# Altium PCB Atlas-Pi.PcbDoc (part 2 of 3)
Units mil, origin at the board's own origin, x right, y up, seen from the top; angles counter-clockwise.
Board outline 2204.72 x 3346.46 mil, 4 copper layers (Top1, Gnd2, Signal3, Bottom4), stack 64.689 mil thick; 216 components, 214 nets, 934 pads, 615 vias.
Unrouted connection lines stored in the file: 151.
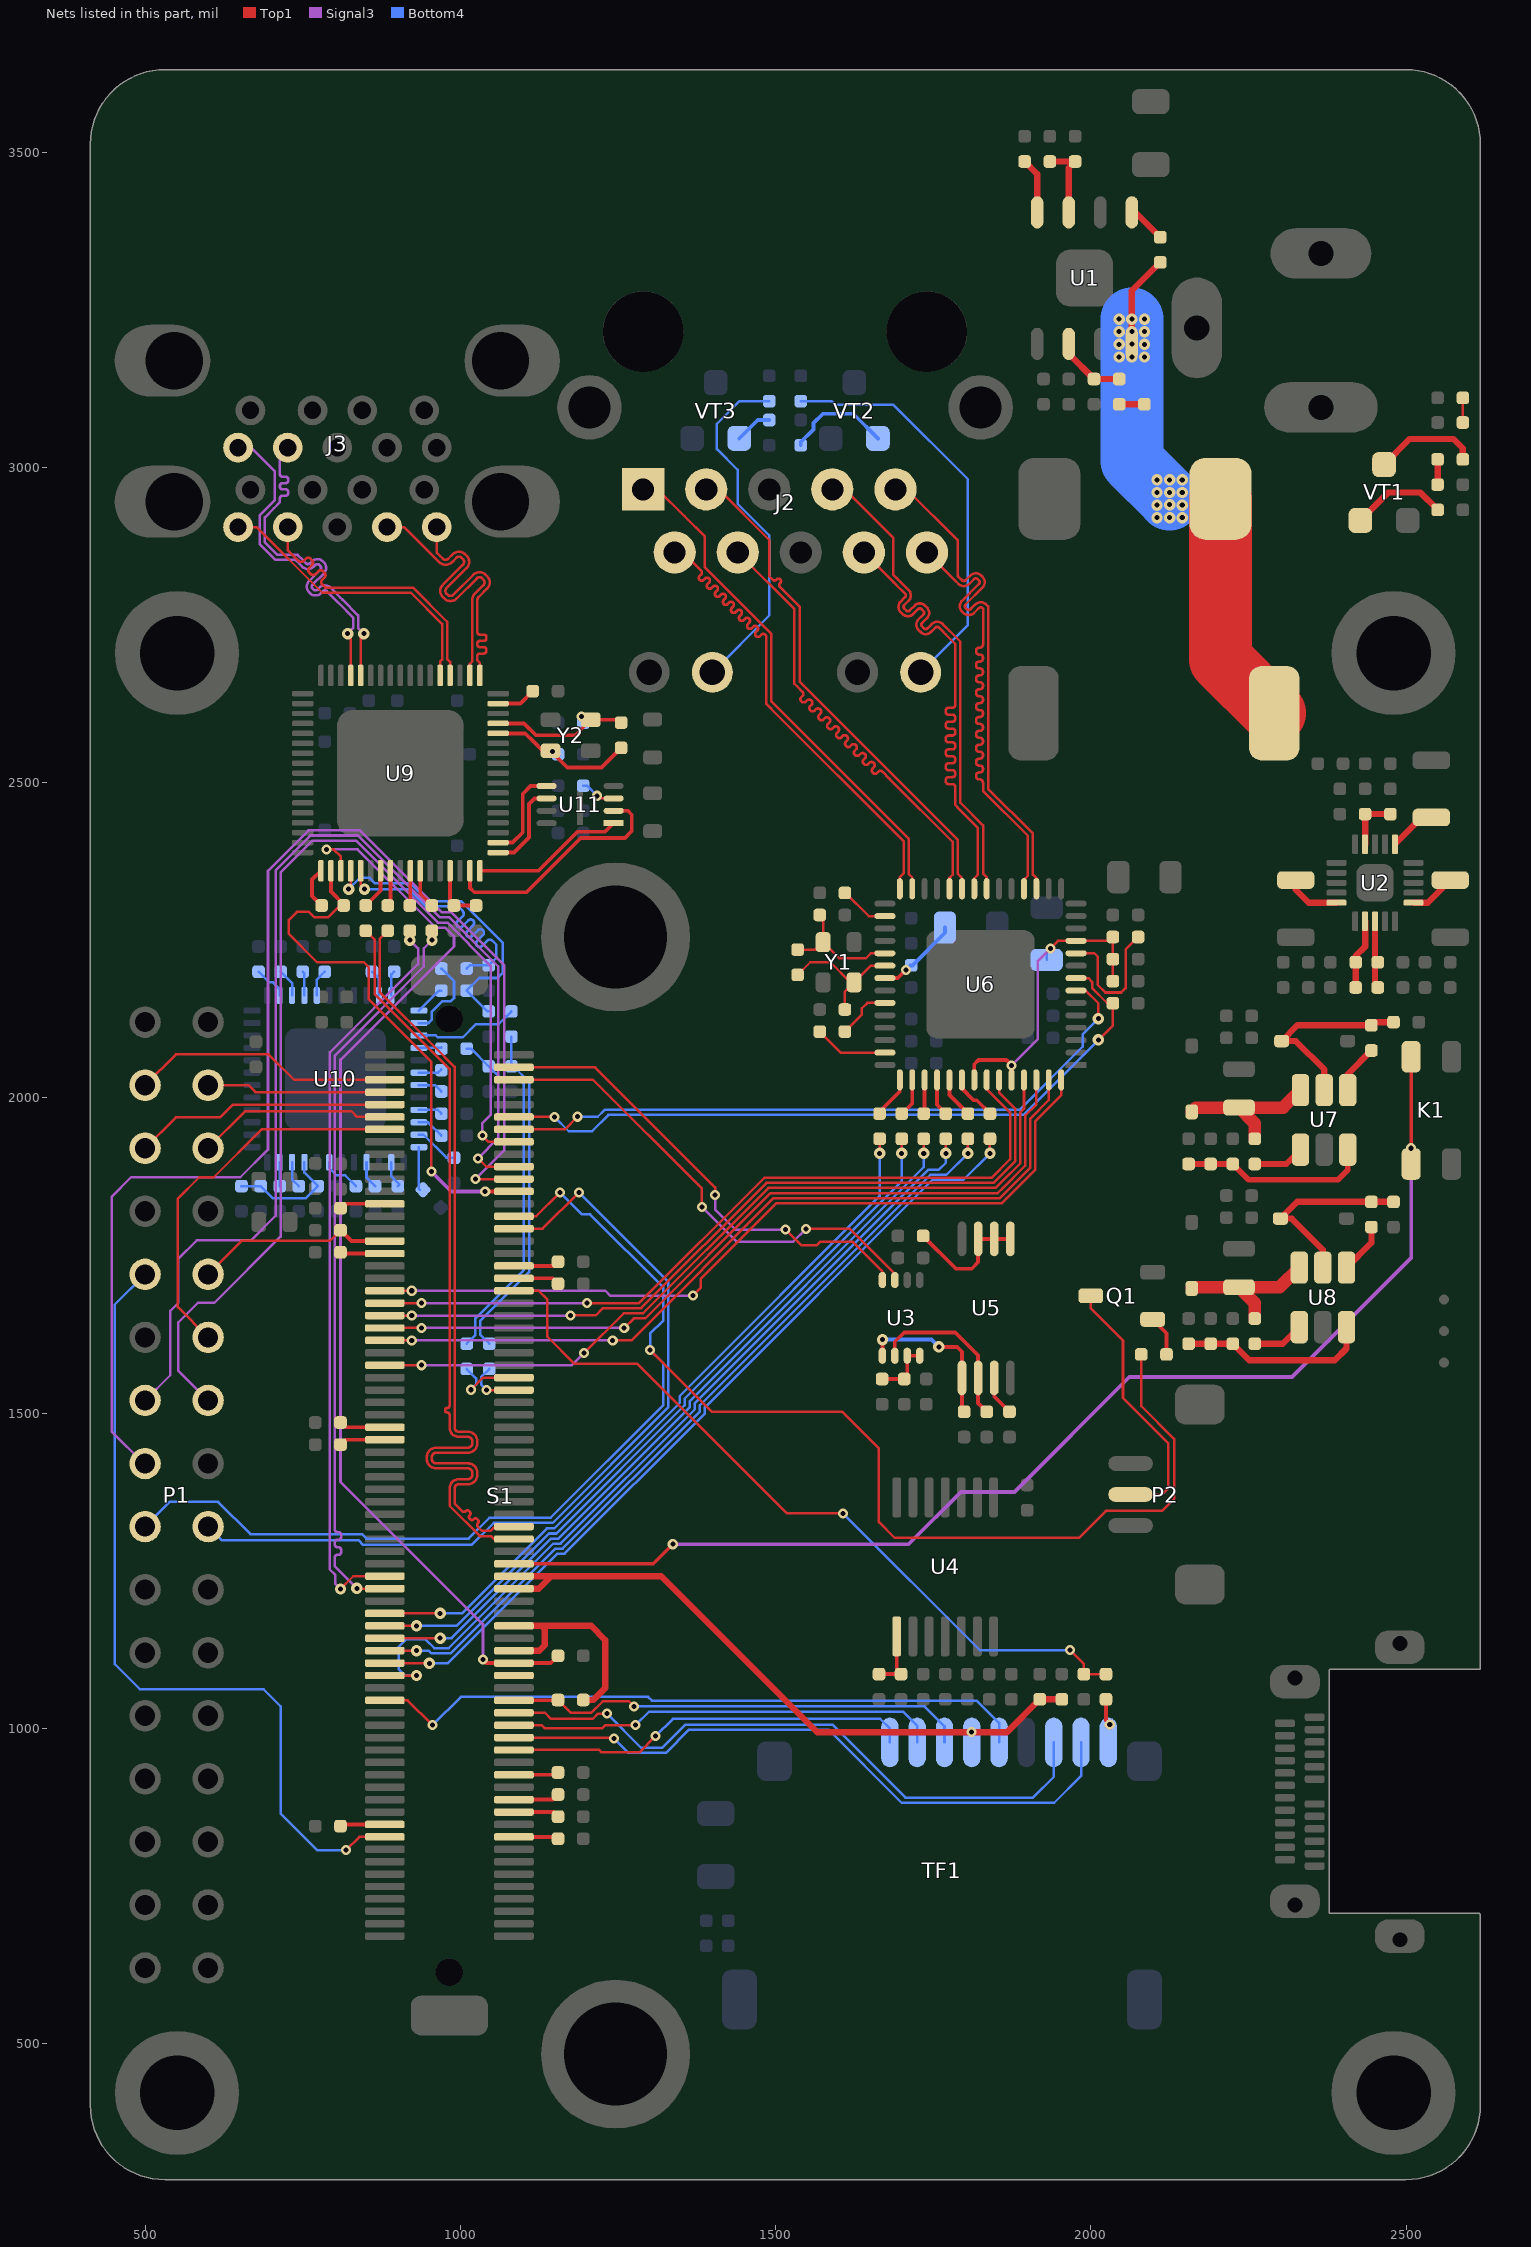
[diagram p4: the nets of this part, all layers, seen from the top]

## Via types
v1: diameter 16, hole 8, Top1 to Bottom4, tented both sides, 455 vias
v2: diameter 18, hole 8, Top1 to Bottom4, tented both sides, 158 vias
v3: diameter 39.37, hole 39.37, Top1 to Bottom4, 2 vias

## Nets (pads, with @x,y where several pads share a name; then routed paths per layer and width w, separated by ;. In a path a pad name is that pad's centre, name@x,y a point inside that pad or via, vN(x,y) a via of type N, cw(c..) or ccw(c..) an arc to the next point about the centre after c; other vN are vias at no path point) (continued)
HOST_RST_N: K1.2 K1.4 S1.62 | length 1967.9
  Top1 w6: S1.62@1085,1260.94 1305.95,1260.94 v1(1337,1292) ; K1.4@2508,1895 v1(2508,1920) K1.2@2508,2065
  Signal3 w6: v1(1337,1292) 1711,1292 1794,1375 1879,1375 2061,1557 2319,1557 2508,1746 v1(2508,1920)
I2C0_SCL: S1.140 U3.3 | length 775
  Top1 w4: S1.140@1085,2028.66 1210.34,2028.66 1383,1856 v1(1383,1827) ; v1(1548,1792) 1618,1792 1689.16,1720.84 U3.3@1689.16,1711.04
  Signal3 w4: v1(1383,1827) 1438,1772 1528,1772 v1(1548,1792)
I2C0_SCL_3V3: R27.2 U3.6 U5.6 | length 270.9
  Top1 w6: U3.6@1689.16,1590.96 1689.16,1613.16 1704,1628 1785,1628 1821.2,1591.8 U5.6@1821.2,1555.76 1821.2,1515.8 R27.2@1835,1502
I2C0_SDA: S1.142 U3.4 | length 757.6
  Top1 w4: S1.142@1085,2048.35 1213.66,2048.35 1404,1858 v1(1404,1846) ; v1(1516,1791) 1541,1766 1565,1766 1571,1772 1622,1772 1669.47,1724.53 U3.4@1669.47,1711.04
  Signal3 w4: v1(1404,1846) 1404,1823 1436,1791 v1(1516,1791)
I2C0_SDA_3V3: R26.2 U3.5 U5.5 | length 251.6
  Top1 w6: U3.5@1669.47,1590.96 v2(1669.47,1616.47) ; v2(1759,1605) 1788,1605 1795.61,1597.39 U5.5@1795.61,1555.76 R26.2@1795.61,1505.39
  Bottom4 w6: v2(1669.47,1616.47) 1747.53,1616.47 v2(1759,1605)
I2C1_SCL: P1.5 S1.135 | length 409
  Top1 w4: P1.5@500,1920 549,1969 619,1969 639.29,1989.29 S1.135@880.28,1989.29
I2C1_SDA: P1.6 S1.133 | length 308.6
  Top1 w4: P1.6@600,1920 659,1979 827,1979 836.4,1969.61 S1.133@880.28,1969.61
I2C2_SCL: P1.3 S1.139 | length 417.3
  Top1 w4: P1.3@500,2020 549,2069 696,2069 736.34,2028.66 S1.139@880.28,2028.66
I2C2_SDA: P1.4 S1.137 | length 284.8
  Top1 w4: P1.4@600,2020 664,2020 675.03,2008.98 S1.137@880.28,2008.98
INT_IN: P1.10 R23.1 S1.113 | length 316.4
  Top1 w4: P1.10@600,1720 653,1773 793,1773 R23.1@810,1790
  Top1 w6: R23.1@810,1790 827.24,1772.76 S1.113@880.28,1772.76
INT_OUT: P1.9 S1.17 | length 1296.6
  Top1 w4: v1(819,807) 839.88,827.88 S1.17@880.28,827.88
  Bottom4 w4: P1.9@500,1720 452,1672 452,1102 492,1062 688,1062 715,1035 715,865 773,807 v1(819,807)
LDO9_2V95: R13.2 S1.48 S1.52 | length 358.7
  Top1 w10: S1.48@1085,1123.15 1125.15,1123.15 1134,1132 1134,1157 1128.48,1162.52 ; S1.52@1085,1162.52 1128.48,1162.52 ; R13.2@1195,1045 1211,1045 1230,1064 1230,1140 1207.48,1162.52 1128.48,1162.52
LDO16_2V95: C23.1 C24.1 S1.58 S1.60 TF1.4 | length 1060.1
  Top1 w10: S1.58@1085,1221.57 1124.32,1221.57 1144,1241.26 ; S1.60@1085,1241.26 1144,1241.26 ; C23.1@1954,1046 C24.1@1919,1046 1867,994 1566,994 1318.74,1241.26 1144,1241.26
  other v1: 1811,994
MDC: S1.132 U6.7 | length 1079.4
  Top1 w4: S1.132@1085,1949.92 1165.92,1949.92 v1(1186,1970) ; U6.7@1976.6,2170.16 1991.84,2170.16 2012,2150 v2(2012,2125.64)
  Bottom4 w4: v1(1186,1970) 1218,1970 1229,1981 1887,1981 1987,2081 1987,2100.64 v2(2012,2125.64)
MDIO: R2.2 S1.134 U6.8 | length 1144.7
  Top1 w4: S1.134@1085,1969.61 v1(1149.4,1969.61) ; U6.8@1976.6,2189.84 1996.16,2189.84 2002,2184 2002,2174 2026,2150 R2.2@2035,2150 2035,2115 v2(2012,2092)
  Bottom4 w4: v1(1149.4,1969.61) 1172,1947 1209,1947 1235,1973 1893,1973 v2(2012,2092)
MDIO0_N: J2.1 U6.27 | length 823.6
  Top1 w4: J2.1@1290,2965 1313,2965 1356,2922 1388,2890 1388,2841.31 1493,2736.31 1493,2734 1493,2629 1711,2411 1711,2355 1716.73,2349.27 U6.27@1716.73,2331.6
MDIO0_P: J2.2 U6.28 | length 824
  Top1 w4: J2.2@1340,2865 1353,2865 1374,2844 1381.78,2836.22 cw(c1378.6,2833.04) 1381.78,2829.86 1379.66,2827.74 ccw(c1382.84,2824.55) 1379.66,2821.37 ccw(c1382.84,2824.55) 1386.02,2821.37 1388.14,2823.49 cw(c1391.32,2820.31) 1394.51,2823.49 cw(c1391.32,2820.31) 1394.51,2817.13 1392.39,2815.01 ccw(c1395.57,2811.83) 1392.39,2808.64 ccw(c1395.57,2811.83) 1398.75,2808.64 1400.87,2810.77 cw(c1404.05,2807.58) 1407.23,2810.77 cw(c1404.05,2807.58) 1407.23,2804.4 1405.11,2802.28 ccw(c1408.3,2799.1) 1405.11,2795.92 ccw(c1408.3,2799.1) 1411.48,2795.92 1413.6,2798.04 cw(c1416.78,2794.86) 1419.96,2798.04 cw(c1416.78,2794.86) 1419.96,2791.67 1417.84,2789.55 ccw(c1421.02,2786.37) 1417.84,2783.19 ccw(c1421.02,2786.37) 1424.2,2783.19 1426.33,2785.31 cw(c1429.51,2782.13) 1432.69,2785.31 cw(c1429.51,2782.13) 1432.69,2778.95 1430.57,2776.82 ccw(c1433.75,2773.64) 1430.57,2770.46 ccw(c1433.75,2773.64) 1436.93,2770.46 1439.05,2772.58 cw(c1442.24,2769.4) 1445.42,2772.58 cw(c1442.24,2769.4) 1445.42,2766.22 1443.3,2764.1 ccw(c1446.48,2760.91) 1443.3,2757.73 ccw(c1446.48,2760.91) 1449.66,2757.73 1451.78,2759.85 cw(c1454.96,2756.67) 1458.15,2759.85 cw(c1454.96,2756.67) 1458.15,2753.49 1456.02,2751.37 ccw(c1459.21,2748.19) 1456.02,2745 ccw(c1459.21,2748.19) 1462.39,2745 1464.51,2747.13 cw(c1467.69,2743.94) 1470.87,2747.13 cw(c1467.69,2743.94) 1470.87,2740.76 1468.75,2738.64 ccw(c1471.93,2735.46) 1468.75,2732.28 ccw(c1471.93,2735.46) 1475.12,2732.28 1477.24,2734.4 cw(c1480.42,2731.22) 1483.6,2734.4 1485,2733 1485,2723 1485,2625.69 1493,2617.69 1493,2617 1703,2407 1703,2356 1697.05,2350.05 U6.28@1697.05,2331.6
MDIO1_N: J2.3 U6.23 | length 824.2
  Top1 w4: J2.3@1390,2965 1410,2965 1490,2885 1490,2827 1494,2823 1495.41,2821.59 ccw(c1498.24,2824.41) 1501.07,2821.59 1501.78,2822.29 cw(c1504.61,2819.46) 1507.44,2822.29 cw(c1504.61,2819.46) 1507.44,2816.64 1506.73,2815.93 ccw(c1509.56,2813.1) 1506.73,2810.27 1521,2796 1538,2779 1538,2660 1789,2409 1789,2355 1795.47,2348.53 U6.23@1795.47,2331.6
MDIO1_P: J2.4 U6.24 | length 823.3
  Top1 w4: J2.4@1440,2865 1530,2775 1530,2656.69 1534.34,2652.34 1542.83,2643.86 cw(c1539.65,2640.68) 1542.83,2637.49 1540.71,2635.37 ccw(c1543.89,2632.19) 1540.71,2629.01 1541.41,2628.3 ccw(c1544.6,2631.48) 1547.78,2628.3 1549.9,2630.42 cw(c1553.08,2627.24) 1556.26,2630.42 1556.97,2629.72 cw(c1553.79,2626.53) 1556.97,2623.35 1554.85,2621.23 ccw(c1558.03,2618.05) 1554.85,2614.87 1555.56,2614.16 ccw(c1558.74,2617.34) 1561.92,2614.16 1564.04,2616.28 cw(c1567.22,2613.1) 1570.41,2616.28 1571.11,2615.57 cw(c1567.93,2612.39) 1571.11,2609.21 1568.99,2607.09 ccw(c1572.17,2603.91) 1568.99,2600.72 1569.7,2600.02 ccw(c1572.88,2603.2) 1576.06,2600.02 1578.18,2602.14 cw(c1581.37,2598.96) 1584.55,2602.14 1585.26,2601.43 cw(c1582.07,2598.25) 1585.26,2595.07 1583.13,2592.95 ccw(c1586.32,2589.76) 1583.13,2586.58 1583.84,2585.87 ccw(c1587.02,2589.06) 1590.2,2585.87 1592.33,2588 cw(c1595.51,2584.81) 1598.69,2588 1599.4,2587.29 cw(c1596.22,2584.11) 1599.4,2580.92 1597.28,2578.8 ccw(c1600.46,2575.62) 1597.28,2572.44 1597.98,2571.73 ccw(c1601.17,2574.91) 1604.35,2571.73 1606.47,2573.85 cw(c1609.65,2570.67) 1612.83,2573.85 1613.54,2573.15 cw(c1610.36,2569.96) 1613.54,2566.78 1611.42,2564.66 ccw(c1614.6,2561.48) 1611.42,2558.3 1612.13,2557.59 ccw(c1615.31,2560.77) 1618.49,2557.59 1620.61,2559.71 cw(c1623.79,2556.53) 1626.97,2559.71 1627.68,2559 cw(c1624.5,2555.82) 1627.68,2552.64 1625.56,2550.52 ccw(c1628.74,2547.34) 1625.56,2544.16 1626.27,2543.45 ccw(c1629.45,2546.63) 1632.63,2543.45 1634.75,2545.57 cw(c1637.93,2542.39) 1641.12,2545.57 1641.82,2544.86 cw(c1638.64,2541.68) 1641.82,2538.5 1639.7,2536.38 ccw(c1642.88,2533.2) 1639.7,2530.01 1640.41,2529.31 ccw(c1643.59,2532.49) 1646.77,2529.31 1648.89,2531.43 cw(c1652.08,2528.25) 1655.26,2531.43 1655.97,2530.72 cw(c1652.78,2527.54) 1655.97,2524.36 1653.84,2522.24 ccw(c1657.03,2519.05) 1653.84,2515.87 1654.55,2515.16 ccw(c1657.73,2518.35) 1660.92,2515.16 1663.04,2517.29 cw(c1666.22,2514.1) 1669.4,2517.29 1680.84,2505.84 1781,2405.69 1781,2354 1775.79,2348.79 U6.24@1775.79,2331.6
MDIO2_N: J2.7 U6.21 | length 824.5
  Top1 w4: J2.7@1590,2965 1610,2965 1687,2888 1687,2829.31 1692.66,2823.66 1698.07,2818.24 1711.02,2805.29 cw(c1702.56,2796.79) 1711.02,2788.28 1703.97,2781.23 ; 1703.95,2781.21 ccw(c1706.48,2778.65) 1703.93,2776.11 1707.34,2772.7 ccw(c1709.88,2775.26) 1712.42,2772.71 1721.6,2781.88 1721.79,2781.88 cw(c1728.63,2772.51) 1736.84,2780.7 ; 1736.85,2780.69 1740.2,2777.34 ; 1740.2,2760.89 1732.25,2752.94 ccw(c1734.77,2750.37) 1732.21,2747.83 1735.62,2744.42 ccw(c1738.16,2746.97) 1740.71,2744.43 ; 1740.21,2760.9 ccw(c1732.02,2769.12) 1740.21,2777.33 ; 1740.73,2744.45 1747.79,2751.51 cw(c1756.3,2743.05) 1764.8,2751.51 1770.11,2746.2 1775.53,2740.78 1793,2723.31 1793,2468 1829,2432 1829,2356 1834.84,2350.16 U6.21@1834.84,2331.6
MDIO2_P: J2.8 U6.22 | length 823.5
  Top1 w4: J2.8@1640,2865 1687,2818 1691.22,2813.78 ; 1691.25,2813.74 1705.36,2799.64 cw(c1702.56,2796.79) 1705.37,2793.94 1697.11,2785.68 1697.11,2785.48 ccw(c1706.48,2778.65) 1698.31,2770.42 1701.64,2767.09 ccw(c1709.88,2775.26) 1718.1,2767.07 ; 1718.1,2767.08 1726.05,2775.03 ; 1726.07,2775.04 cw(c1728.63,2772.51) 1731.17,2775.06 ; 1731.2,2775.03 1734.54,2771.69 ; 1734.54,2766.55 1725.39,2757.4 1725.39,2757.2 ccw(c1734.77,2750.37) 1726.6,2742.13 1729.93,2738.8 ccw(c1738.16,2746.97) 1746.38,2738.79 ; 1734.57,2766.57 ccw(c1732.02,2769.12) 1734.57,2771.66 ; 1746.39,2738.79 1753.44,2745.85 ; 1753.45,2745.86 cw(c1756.3,2743.05) 1759.14,2745.86 1765.62,2739.38 1769.87,2735.13 1785,2720 1785,2636 1785,2623 cw(c1780.6,2623) 1780.6,2618.6 1774.4,2618.6 ccw(c1774.4,2614.2) 1770,2614.2 1770,2612 ccw(c1774.4,2612) 1774.4,2607.6 1780.6,2607.6 cw(c1780.6,2603.2) 1785,2603.2 1785,2601 cw(c1780.6,2601) 1780.6,2596.6 1774.4,2596.6 ccw(c1774.4,2592.2) 1770,2592.2 1770,2590 ccw(c1774.4,2590) 1774.4,2585.6 1780.6,2585.6 cw(c1780.6,2581.2) 1785,2581.2 1785,2579 cw(c1780.6,2579) 1780.6,2574.6 1774.4,2574.6 ccw(c1774.4,2570.2) 1770,2570.2 1770,2568 ccw(c1774.4,2568) 1774.4,2563.6 1780.6,2563.6 cw(c1780.6,2559.2) 1785,2559.2 1785,2557 cw(c1780.6,2557) 1780.6,2552.6 1774.4,2552.6 ccw(c1774.4,2548.2) 1770,2548.2 1770,2546 ccw(c1774.4,2546) 1774.4,2541.6 1780.6,2541.6 cw(c1780.6,2537.2) 1785,2537.2 1785,2535 cw(c1780.6,2535) 1780.6,2530.6 1774.4,2530.6 ccw(c1774.4,2526.2) 1770,2526.2 1770,2524 ccw(c1774.4,2524) 1774.4,2519.6 1780.6,2519.6 cw(c1780.6,2515.2) 1785,2515.2 1785,2513 cw(c1780.6,2513) 1780.6,2508.6 1774.4,2508.6 ccw(c1774.4,2504.2) 1770,2504.2 1770,2502 ccw(c1774.4,2502) 1774.4,2497.6 1780.6,2497.6 cw(c1780.6,2493.2) 1785,2493.2 1785,2472 1785,2464.69 1788,2461.69 1788,2461 1821,2428 1821,2354 1815.16,2348.16 U6.22@1815.16,2331.6
MDIO3_N: J2.9 U6.17 | length 823
  Top1 w4: J2.9@1690,2965 1708,2965 1789,2884 1789,2827.31 1791.16,2825.16 1795.38,2820.93 ccw(c1798.51,2824.03) 1801.63,2820.93 1810.01,2829.3 1810.19,2829.3 cw(c1817.6,2819.36) 1826.39,2828.11 1827.9,2826.59 cw(c1819.16,2817.8) 1827.91,2809.02 1801.65,2782.76 ; 1801.63,2782.74 ccw(c1804.73,2779.62) 1801.64,2776.49 1803.16,2774.97 ccw(c1806.29,2778.06) 1809.42,2774.97 1816.59,2782.14 ; 1816.59,2782.15 cw(c1825.38,2773.4) 1832.79,2783.34 1832.98,2783.34 1834.14,2782.17 ; 1834.16,2782.16 1837,2779.31 1837,2741 1837,2490 1908,2419 1908,2354 1913.58,2348.42 U6.17@1913.58,2331.6
MDIO3_P: J2.10 U6.18 | length 823.6
  Top1 w4: J2.10@1740,2865 1785.5,2819.5 1789.71,2815.29 ; 1789.76,2815.24 ccw(c1798.51,2824.03) 1807.29,2815.26 1814.46,2822.44 ; 1814.48,2822.46 cw(c1817.6,2819.36) 1820.73,2822.45 1822.25,2820.94 ; 1822.25,2776.48 1815.08,2769.32 cw(c1806.29,2778.06) 1797.49,2769.33 1796,2770.82 cw(c1804.73,2779.62) 1794.79,2787.03 1794.79,2787.22 1822.25,2814.67 ; 1822.25,2776.49 cw(c1825.38,2773.4) 1828.52,2776.48 1829,2776 1829,2734.99 1829,2727 1829,2718.9 cw(c1824.05,2718.9) 1824.05,2713.95 1822.95,2713.95 ccw(c1822.95,2709) 1818,2709 1818,2707.9 ccw(c1822.95,2707.9) 1822.95,2702.95 1824.05,2702.95 cw(c1824.05,2698) 1829,2698 1829,2696.9 cw(c1824.05,2696.9) 1824.05,2691.95 1822.95,2691.95 ccw(c1822.95,2687) 1818,2687 1818,2685.9 ccw(c1822.95,2685.9) 1822.95,2680.95 1824.05,2680.95 cw(c1824.05,2676) 1829,2676 1829,2674.9 cw(c1824.05,2674.9) 1824.05,2669.95 1822.95,2669.95 ccw(c1822.95,2665) 1818,2665 1818,2663.9 ccw(c1822.95,2663.9) 1822.95,2658.95 1824.05,2658.95 cw(c1824.05,2654) 1829,2654 1829,2652.9 cw(c1824.05,2652.9) 1824.05,2647.95 1822.95,2647.95 ccw(c1822.95,2643) 1818,2643 1818,2641.9 ccw(c1822.95,2641.9) 1822.95,2636.95 1824.05,2636.95 cw(c1824.05,2632) 1829,2632 1829,2630.9 cw(c1824.05,2630.9) 1824.05,2625.95 1822.95,2625.95 ccw(c1822.95,2621) 1818,2621 1818,2619.9 ccw(c1822.95,2619.9) 1822.95,2614.95 1824.05,2614.95 cw(c1824.05,2610) 1829,2610 1829,2608.9 cw(c1824.05,2608.9) 1824.05,2603.95 1822.95,2603.95 ccw(c1822.95,2599) 1818,2599 1818,2597.9 ccw(c1822.95,2597.9) 1822.95,2592.95 1824.05,2592.95 cw(c1824.05,2588) 1829,2588 1829,2586.9 cw(c1824.05,2586.9) 1824.05,2581.95 1822.95,2581.95 ccw(c1822.95,2577) 1818,2577 1818,2575.9 ccw(c1822.95,2575.9) 1822.95,2570.95 1824.05,2570.95 cw(c1824.05,2566) 1829,2566 1829,2564.9 cw(c1824.05,2564.9) 1824.05,2559.95 1822.95,2559.95 ccw(c1822.95,2555) 1818,2555 1818,2553.9 ccw(c1822.95,2553.9) 1822.95,2548.95 1824.05,2548.95 cw(c1824.05,2544) 1829,2544 1829,2542.9 cw(c1824.05,2542.9) 1824.05,2537.95 1822.95,2537.95 ccw(c1822.95,2533) 1818,2533 1818,2531.9 ccw(c1822.95,2531.9) 1822.95,2526.95 1824.05,2526.95 cw(c1824.05,2522) 1829,2522 1829,2520.9 cw(c1824.05,2520.9) 1824.05,2515.95 1822.95,2515.95 ccw(c1822.95,2511) 1818,2511 1818,2509.9 ccw(c1822.95,2509.9) 1822.95,2504.95 1824.05,2504.95 cw(c1824.05,2500) 1829,2500 1829,2498 1829,2486.69 1900,2415.69 1900,2352 1893.9,2345.9 U6.18@1893.9,2331.6 ; 1822.25,2814.67 ccw(c1819.16,2817.8) 1822.25,2820.93
MINI_PCIE_CLK_N: C67.1 S1.92 | length 118.5
  Top1 w4: v1(1016.98,1536.98) 1036.22,1556.22 S1.92@1085,1556.22
  Bottom4 w4: C67.1@1010,1570 1025,1555 1025,1545 v1(1016.98,1536.98)
MINI_PCIE_CLK_P: C65.1 S1.90 | length 85.9
  Top1 w4: v1(1041.47,1536.53) S1.90@1085,1536.53
  Bottom4 w4: v1(1041.47,1536.53) 1033,1545 1033,1557 C65.1@1046,1570
NetC1_1: C1.1 D1.1 L1.1 U1.8 | length 833.1
  Top1 w10: v2(2065,3195.67) v2(2065,3215) v2(2065,3235) 2065,3280 C1.1@2110,3325
  Top1 w100: D1.1@2205.83,2950 2205.83,2695.12 L1.1@2290.94,2610
  Bottom4 w100: v2(2065,3235) v2(2065,3215) v2(2065,3195.67) v2(2065,3175) 2065,3010 2125,2950
  other v2: 2105,2920 2125,2920 2145,2920 2105,2940 2145,2940 2125,2940.67 2105,2960 2125,2960 2145,2960 2105,2980 2125,2980 2145,2980 2045,3175 2085,3175 2045,3195 2085,3195 2045,3215 2085,3215 2045,3235 2085,3235
NetC1_2: C1.2 U1.1 | length 61.3
  Top1 w10: U1.1@2065,3404.33 2070.67,3404.33 C1.2@2110,3365
NetC6_2: C6.2 R7.2 U1.6 | length 112.2
  Top1 w10: U1.6@1965,3195.67 1965,3180 C6.2@2005,3140 R7.2@2045,3140
NetC7_2: C7.2 R7.1 | length 40
  Top1 w10: R7.1@2045,3100 C7.2@2085,3100
NetC13_1: C13.1 S1.81 | length 73.5
  Top1 w6: C13.1@810,1450 817.8,1457.8 S1.81@880.28,1457.8
NetC14_1: C14.1 S1.83 | length 73.4
  Top1 w6: C14.1@810,1485 817.52,1477.48 S1.83@880.28,1477.48
NetC18_2: C18.2 R25.2 U3.7 U3.8 | length 93.7
  Top1 w6: C18.2@1669,1554 R25.2@1704,1554 1708.84,1558.85 U3.7@1708.84,1590.96 U3.8@1728.53,1590.96
NetC21_2: C21.2 R33.1 U4.8 | length 97.6
  Top1 w6: R33.1@1664,1086 C21.2@1699,1086 1692.23,1092.77 U4.8@1692.23,1145.76
NetC26_2: C26.2 R47.1 U6.35 | length 133.3
  Top1 w6: U6.35@1673.4,2189.84 1693.84,2189.84 v1(1707,2203)
  Bottom4 w6: v1(1707,2203) 1714,2210 C26.2@1715,2210 1717,2210 1768.66,2261.66 R47.1@1768.66,2270
NetC34_1: C34.1 U6.37 | length 88.1
  Top1 w4: C34.1@1610,2105 1637,2132 1637,2142 1645.47,2150.47 U6.37@1673.4,2150.47
NetC34_2: C34.2 U6.41 | length 117.2
  Top1 w4: C34.2@1570,2105 1603.27,2071.73 U6.41@1673.4,2071.73
NetC35_1: C35.1 C36.1 R55.1 R56.2 U6.11 U6.49 U6.52 | length 517.4
  Top1 w4: v1(1936,2237) 1947.9,2248.9 U6.11@1976.6,2248.9 ; U6.11@1981.6,2248.9 2028.9,2248.9 R56.2@2035,2255 C35.1@2035,2220 C36.1@2035,2185
  Top1 w6: U6.49@1815.16,2028.4 1815.16,2053.16 1822,2060 1866,2060 1874.21,2051.79 U6.52@1874.21,2028.4
  Signal3 w4: v1(1874,2051) 1916,2093 1916,2217 v1(1936,2237)
  Bottom4 w4: R55.1@1930,2218.66 1930,2231 v1(1936,2237)
NetC37_1: C37.1 R57.2 U6.34 Y1.1 | length 220
  Top1 w4: R57.2@1535,2195 1555,2215 1587,2215 1618.89,2183.11 Y1.1@1624.61,2183.11 ; C37.1@1610,2140 1610,2168.5 Y1.1@1624.61,2183.11 ; U6.34@1673.4,2209.53 1651.02,2209.53 Y1.1@1624.61,2183.11
NetC38_1: C38.1 R57.1 U6.33 Y1.3 | length 202.8
  Top1 w4: R57.1@1535,2235 1563.5,2235 Y1.3@1575.39,2246.89 ; C38.1@1570,2290 1575.39,2284.61 Y1.3@1575.39,2246.89 ; U6.33@1673.4,2229.21 1651.21,2229.21 1643,2221 1601.28,2221 Y1.3@1575.39,2246.89
NetC39_2: C39.2 R60.1 R62.2 U7.3 | length 301.5
  Top1 w9: R62.2@2155,1895 R60.1@2190,1895 C39.2@2225,1895 2250,1870 2392,1870 2407.4,1885.4 U7.3@2407.4,1917.76
NetC40_1: C40.1 D4.2 L5.1 U7.6 | length 246.8
  Top1 w20: D4.2@2160,1977.66 2166.87,1984.54 L5.1@2235,1984.54 ; C40.1@2260,1935 2260,1959.54 L5.1@2235,1984.54 ; U7.6@2332.6,2012.24 2304.89,1984.54 L5.1@2235,1984.54
NetC40_2: C40.2 U7.1 | length 82
  Top1 w9: C40.2@2260,1895 2309.84,1895 U7.1@2332.6,1917.76
NetC41_2: C41.2 R61.1 R63.2 U8.3 | length 302.6
  Top1 w10: R63.2@2155,1610 R61.1@2190,1610 C41.2@2225,1610 2251,1584 2387,1584 2405.4,1602.4 U8.3@2405.4,1636.26
NetC42_1: C42.1 D5.2 L6.1 U8.6 | length 244.2
  Top1 w20: D5.2@2160,1697.66 2161.87,1699.54 L6.1@2235,1699.54 ; C42.1@2260,1650 2260,1674.54 L6.1@2235,1699.54 ; U8.6@2330.6,1730.74 2299.39,1699.54 L6.1@2235,1699.54
NetC42_2: C42.2 U8.1 | length 81.5
  Top1 w10: C42.2@2260,1610 2304.34,1610 U8.1@2330.6,1636.26
NetC49_2: C49.2 D6.2 R64.1 U7.5 | length 308.5